# Altium PCB HV_DAC_8ch-DIOT.PCBDOC (part 1 of 11) (continued)
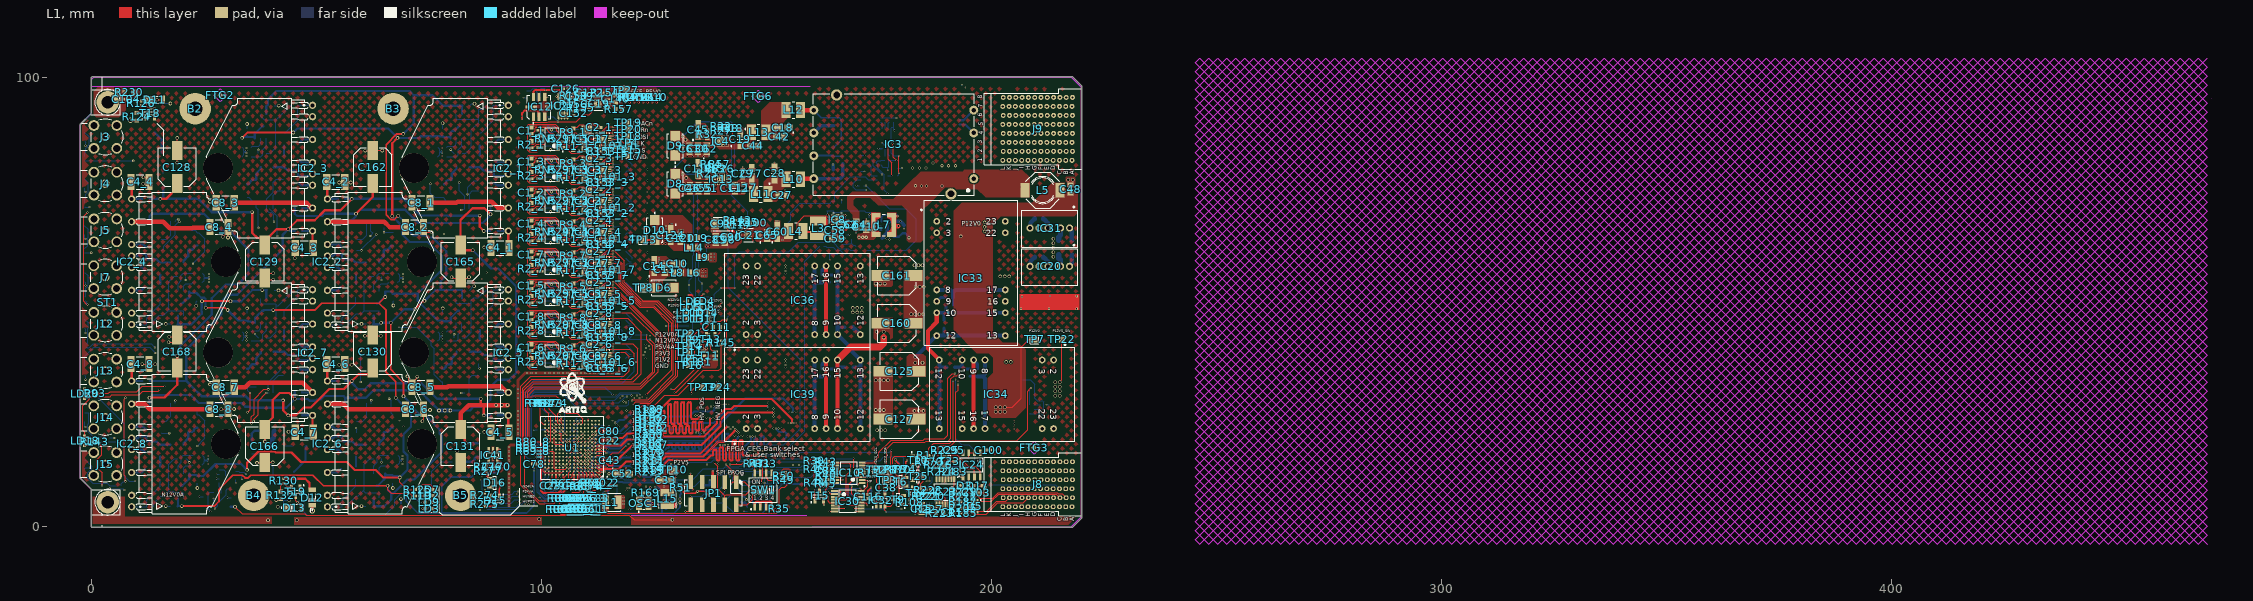
[diagram p0: L1 view]
## Design rules (kind name [scope] priority, off if disabled: settings) (continued)
RoutingVias RoutingVias_HPWR [InNetClass('Hpower')] p4: holewidth=0.4 width=0.7 viastyle="Through Hole" minholewidth=0.2 minwidth=0.4 maxholewidth=0.711 maxwidth=1.27
RoutingVias [All] p5: holewidth=0.2 width=0.5 viastyle="Through Hole" minholewidth=0.2 minwidth=0.4 maxholewidth=0.711 maxwidth=1.27 useviatemplates=TRUE viatemplateguid#1={4A6B9B9C-A221-4A61-AFEA-1AB58807B9F9} viatemplateguid#2={F3562215-08AF-45A8-96CD-7250AE1BA8D5} viatemplateguid#3={E9C4ADA8-6542-42D9-ACFE-5114F8ADFE76} viatemplatename#1=v40h20m0mx0 viatemplatename#2=v50h20m0mx0 viatemplatename#3=v70h40m0mx0
SilkToSilkClearance [All] p1: silktosilkclearance=0.02
SilkToSolderMaskClearance SilkscreenOverComponentPads [IsPad] p1: minsilkscreentomaskgap=0.02 clearancetoexposedcopper=TRUE
SolderMaskExpansion [All] p1: expansion=0.051 istentingtop=FALSE
SupplyNets "Schematic Supply Nets_1" [InNet('P3V3_DIOT')] p1: voltage=0.000
SupplyNets "Schematic Supply Nets_34" [InNet('HV_NEG')] p2: voltage=0.000
SupplyNets "Schematic Supply Nets_33" [InNet('P12V0_SW')] p3: voltage=0.000
SupplyNets "Schematic Supply Nets_32" [InNet('N24VA')] p4: voltage=0.000
SupplyNets "Schematic Supply Nets_31" [InNet('P24VA')] p5: voltage=0.000
SupplyNets "Schematic Supply Nets_30" [InNet('HV_POS')] p6: voltage=0.000
SupplyNets "Schematic Supply Nets_29" [InNet('P12V0')] p7: voltage=0.000
SupplyNets "Schematic Supply Nets_28" [InNet('P12V0A')] p8: voltage=0.000
SupplyNets "Schematic Supply Nets_26" [InNet('REF_P5V0')] p9: voltage=0.000
SupplyNets "Schematic Supply Nets_25" [InNet('P6V0')] p10: voltage=0.000
SupplyNets "Schematic Supply Nets_23" [InNet('P3V3_buck')] p11: voltage=0.000
SupplyNets "Schematic Supply Nets_22" [InNet('P5V4A')] p12: voltage=0.000
SupplyNets "Schematic Supply Nets_21" [InNet('P12V0F')] p13: voltage=0.000
SupplyNets "Schematic Supply Nets_20" [InNet('CHASSIS')] p14: voltage=0.000
SupplyNets "Schematic Supply Nets_19" [InNet('P3V3')] p15: voltage=0.000
SupplyNets "Schematic Supply Nets_18" [InNet('N12V0A')] p16: voltage=0.000
SupplyNets "Schematic Supply Nets_17" [InNet('GND')] p17: voltage=0.000
SupplyNets "Schematic Supply Nets_16" [InNet('P2V5')] p18: voltage=0.000
SupplyNets "Schematic Supply Nets_12" [InNet('P6V0A')] p19: voltage=0.000
SupplyNets "Schematic Supply Nets_11" [InNet('N13V0S')] p20: voltage=0.000
SupplyNets "Schematic Supply Nets_8" [InNet('P3V3_INIT')] p21: voltage=0.000
SupplyNets "Schematic Supply Nets_7" [InNet('P13V0S')] p22: voltage=0.000
SupplyNets "Schematic Supply Nets_6" [InNet('N13V0')] p23: voltage=0.000
SupplyNets "Schematic Supply Nets_3" [InNet('P13V0')] p24: voltage=0.000
SupplyNets "Schematic Supply Nets_2" [InNet('P3V3_MP')] p25: voltage=0.000
SupplyNets "Schematic Supply Nets" [InNet('P1V2')] p26: voltage=0.000
ViasUnderSMD ViasUnderSMD_allow [HasFootprint('QFN50P300X300X80-17N-S175') or  HasFootprint('SOP50P490X110-11N-R168X198')  or  HasFootprint('SON50P300X300X80-11N-R175X248') or HasFootprint('SON50P200X300X80-11N-R94X250') or HasFootprint('CAPMP3216X180N')   or HasFootprint('SON65P200X200X80-7N-R65X145') or HasFootprint('SON45P300X300X80-13N-R175X248')] p1: allowed=TRUE
ViasUnderSMD [All] p2: allowed=FALSE
Width Width_PWR [InNet('P24VA') or InNet('N24VA')] p1 off: maxlimit=2 minlimit=0.4 preferedwidth=0.5
Width Width_HPOW [InNetClass('Hpower')] p2 off: maxlimit=2.54 minlimit=0.254 preferedwidth=0.508
Width Width_HV [InNetClass('HV')] p3 off: maxlimit=2 minlimit=0.5 preferedwidth=0.512
Width Width_HPWR [InNetClass('Hpower')] p4 off: maxlimit=2 minlimit=0.254 preferedwidth=0.508
Width [All] p5: maxlimit=2 minlimit=0.1 preferedwidth=0.1
18 further rules are at their usual default settings.

## Classes and differential pairs
net class D100: BP_IO.LVDS_N0 BP_IO.LVDS_N1 BP_IO.LVDS_N2 BP_IO.LVDS_N3 BP_IO.LVDS_N4 BP_IO.LVDS_N5 BP_IO.LVDS_N6 BP_IO.LVDS_N7 BP_IO.LVDS_N8 BP_IO.LVDS_N9 BP_IO.LVDS_N10 BP_IO.LVDS_N11 BP_IO.LVDS_N12 BP_IO.LVDS_N13 BP_IO.LVDS_N14 BP_IO.LVDS_N15 BP_IO.LVDS_P0 BP_IO.LVDS_P1 BP_IO.LVDS_P2 BP_IO.LVDS_P3 BP_IO.LVDS_P4 BP_IO.LVDS_P5 BP_IO.LVDS_P6 BP_IO.LVDS_P7 BP_IO.LVDS_P8 BP_IO.LVDS_P9 BP_IO.LVDS_P10 BP_IO.LVDS_P11 BP_IO.LVDS_P12 BP_IO.LVDS_P13 BP_IO.LVDS_P14 BP_IO.LVDS_P15 DAC_OUT_N1 DAC_OUT_N2 DAC_OUT_N3 DAC_OUT_N4 DAC_OUT_N5 DAC_OUT_N6 DAC_OUT_N7 DAC_OUT_N8 DAC_OUT_P1 DAC_OUT_P2 DAC_OUT_P3 DAC_OUT_P4 DAC_OUT_P5 DAC_OUT_P6 DAC_OUT_P7 DAC_OUT_P8 LVDS_0_N LVDS_0_P LVDS_1_N LVDS_1_P LVDS_2_N LVDS_2_P LVDS_3_N LVDS_3_P LVDS_4_N LVDS_4_P LVDS_5_N LVDS_5_P LVDS_6_N LVDS_6_P LVDS_7_N LVDS_7_P LVDS_8_N LVDS_8_P LVDS_9_N LVDS_9_P LVDS_10_N LVDS_10_P LVDS_11_N LVDS_11_P LVDS_12_N LVDS_12_P LVDS_13_N LVDS_13_P LVDS_14_N LVDS_14_P LVDS_15_N LVDS_15_P
channel class HV_DAC_8ch_DAC_Series_Termination: DAC_Series_Termination1 DAC_Series_Termination2 DAC_Series_Termination3 DAC_Series_Termination4 DAC_Series_Termination5 DAC_Series_Termination6 DAC_Series_Termination7 DAC_Series_Termination8
channel class HV_DAC_8ch_DAC_channel: DAC_channel1 DAC_channel2 DAC_channel3 DAC_channel4 DAC_channel5 DAC_channel6 DAC_channel7 DAC_channel8
channel class HV_Amp_Discrete: U_HV_Amp_Discrete0 U_HV_Amp_Discrete1 U_HV_Amp_Discrete2 U_HV_Amp_Discrete3 U_HV_Amp_Discrete4 U_HV_Amp_Discrete5 U_HV_Amp_Discrete6 U_HV_Amp_Discrete7
net class OUT_CTRLn[7..0]: OUT_CTRLn0 OUT_CTRLn1 OUT_CTRLn2 OUT_CTRLn3 OUT_CTRLn4 OUT_CTRLn5 OUT_CTRLn6 OUT_CTRLn7
net class HV: HV_NEG HV_POS NetC4_1_2 NetC4_2_2 NetC4_3_2 NetC4_4_2 NetC4_5_2 NetC4_6_2 NetC4_7_2 NetC4_8_2 NetC6_1_1 NetC6_1_2 NetC6_2_1 NetC6_2_2 NetC6_3_1 NetC6_3_2 NetC6_4_1 NetC6_4_2 NetC6_5_1 NetC6_5_2 NetC6_6_1 NetC6_6_2 NetC6_7_1 NetC6_7_2 NetC6_8_1 NetC6_8_2 NetC8_1_2 NetC8_2_2 NetC8_3_2 NetC8_4_2 NetC8_5_2 NetC8_6_2 NetC8_7_2 NetC8_8_2 NetC125_1 NetC127_1 NetC136_1 NetC153_1 NetC158_1 NetC161_2 NetIC2_1_7 NetIC2_1_8 NetIC2_2_7 NetIC2_2_8 NetIC2_3_7 NetIC2_3_8 NetIC2_4_7 NetIC2_4_8 NetIC2_5_7 NetIC2_5_8 NetIC2_6_7 NetIC2_6_8 NetIC2_7_7 NetIC2_7_8 NetIC2_8_7 NetIC2_8_8 NetIC14_1_6 NetIC14_2_6 NetIC14_3_6 NetIC14_4_6 NetIC14_5_6 NetIC14_6_6 NetIC14_7_6 NetIC14_8_6 NetIC33_8 NetIC33_9 NetIC36_8 NetIC39_8 NetIC39_9 NetR115_1_2 NetR115_2_2 NetR115_3_2 NetR115_4_2 NetR115_5_2 NetR115_6_2 NetR115_7_2 NetR115_8_2 NetR121_2 NetR123_1 NetR128_2 NetR133_1
net class HVP: HV_POS NetC4_1_2 NetC4_2_2 NetC4_3_2 NetC4_4_2 NetC4_5_2 NetC4_6_2 NetC4_7_2 NetC4_8_2 NetC125_1 NetC127_1
net class HVO: OUT0 OUT1 OUT2 OUT3 OUT4 OUT5 OUT6 OUT7
net class HVN: HV_NEG NetC8_1_2 NetC8_2_2 NetC8_3_2 NetC8_4_2 NetC8_5_2 NetC8_6_2 NetC8_7_2 NetC8_8_2 NetC158_1 NetC161_2
component class U_HV_Amp_Discrete7: C4_8 C5_8 C6_8 C7_8 C8_8 IC1_8 IC2_8 IC14_8 R16_8 R34_8 R58_8 R62_8 R72_8 R73_8 R105_8 R106_8 R113_8 R114_8 R115_8 R116_8 R118_8
component class U_HV_Amp_Discrete6: C4_7 C5_7 C6_7 C7_7 C8_7 IC1_7 IC2_7 IC14_7 R16_7 R34_7 R58_7 R62_7 R72_7 R73_7 R105_7 R106_7 R113_7 R114_7 R115_7 R116_7 R118_7
component class U_HV_Amp_Discrete5: C4_6 C5_6 C6_6 C7_6 C8_6 IC1_6 IC2_6 IC14_6 R16_6 R34_6 R58_6 R62_6 R72_6 R73_6 R105_6 R106_6 R113_6 R114_6 R115_6 R116_6 R118_6
component class U_HV_Amp_Discrete4: C4_5 C5_5 C6_5 C7_5 C8_5 IC1_5 IC2_5 IC14_5 R16_5 R34_5 R58_5 R62_5 R72_5 R73_5 R105_5 R106_5 R113_5 R114_5 R115_5 R116_5 R118_5
component class U_HV_Amp_Discrete3: C4_4 C5_4 C6_4 C7_4 C8_4 IC1_4 IC2_4 IC14_4 R16_4 R34_4 R58_4 R62_4 R72_4 R73_4 R105_4 R106_4 R113_4 R114_4 R115_4 R116_4 R118_4
component class U_HV_Amp_Discrete2: C4_3 C5_3 C6_3 C7_3 C8_3 IC1_3 IC2_3 IC14_3 R16_3 R34_3 R58_3 R62_3 R72_3 R73_3 R105_3 R106_3 R113_3 R114_3 R115_3 R116_3 R118_3
component class U_HV_Amp_Discrete1: C4_2 C5_2 C6_2 C7_2 C8_2 IC1_2 IC2_2 IC14_2 R16_2 R34_2 R58_2 R62_2 R72_2 R73_2 R105_2 R106_2 R113_2 R114_2 R115_2 R116_2 R118_2
component class U_HV_Amp_Discrete0: C4_1 C5_1 C6_1 C7_1 C8_1 IC1_1 IC2_1 IC14_1 R16_1 R34_1 R58_1 R62_1 R72_1 R73_1 R105_1 R106_1 R113_1 R114_1 R115_1 R116_1 R118_1
component class U_power_supplies: B2 B3 B4 B5 C9 C10 C13 C14 C41 C84 C87 C119 C120 C124 C125 C127 C128 C129 C130 C131 C132 C133 C134 C135 C136 C137 C144 C150 C151 C153 C156 C157 C158 C160 C161 C162 C163 C164 C165 C166 C168 D6 D10 D11 D12 D13 IC20 IC31 IC33 IC34 IC36 IC39 L6 L8 L9 L14 L17 L19 L21 L22 LD2 LD3 LD7 LD9 R119 R120 R121 R122 R123 R124 R125 R126 R127 R128 R129 R130 R131 R132 R133 R134 R136 R137 R141 R144 R149 R167 R168 R201 R202 T17 T18 T19 T20 T21 T22 TP8 TP13 TP22 TP23 TP24
differential pair class Diff_100Ohm: BP_IO.LVDS0 BP_IO.LVDS1 BP_IO.LVDS2 BP_IO.LVDS3 BP_IO.LVDS4 BP_IO.LVDS5 BP_IO.LVDS6 BP_IO.LVDS7 BP_IO.LVDS8 BP_IO.LVDS9 BP_IO.LVDS10 BP_IO.LVDS11 BP_IO.LVDS12 BP_IO.LVDS13 BP_IO.LVDS14 BP_IO.LVDS15
net class PWR: P12V0
net class ESD_STRIP: CHASSIS STRIP2 STRIP3
net class BP_IO.LVDS_P[0..15]: BP_IO.LVDS_P0 BP_IO.LVDS_P1 BP_IO.LVDS_P2 BP_IO.LVDS_P3 BP_IO.LVDS_P4 BP_IO.LVDS_P5 BP_IO.LVDS_P6 BP_IO.LVDS_P7 BP_IO.LVDS_P8 BP_IO.LVDS_P9 BP_IO.LVDS_P10 BP_IO.LVDS_P11 BP_IO.LVDS_P12 BP_IO.LVDS_P13 BP_IO.LVDS_P14 BP_IO.LVDS_P15
net class BP_IO.LVDS_N[0..15]: BP_IO.LVDS_N0 BP_IO.LVDS_N1 BP_IO.LVDS_N2 BP_IO.LVDS_N3 BP_IO.LVDS_N4 BP_IO.LVDS_N5 BP_IO.LVDS_N6 BP_IO.LVDS_N7 BP_IO.LVDS_N8 BP_IO.LVDS_N9 BP_IO.LVDS_N10 BP_IO.LVDS_N11 BP_IO.LVDS_N12 BP_IO.LVDS_N13 BP_IO.LVDS_N14 BP_IO.LVDS_N15
component class U_HV_DAC_8ch_DIOT_Connectors_P1_P6: C11 C15 C95 C100 C103 C108 C109 D3 D5 D7 D17 IC23 IC24 IC28 J8 J9 R170 R171 R183 R185 R187 R205 R220 R221 R222 R223 R224 R225 R226 R227 R228 R229 T10 T23 T24 T25
net class LVDS: BP_IO.LVDS_N0 BP_IO.LVDS_N1 BP_IO.LVDS_N2 BP_IO.LVDS_N3 BP_IO.LVDS_N4 BP_IO.LVDS_N5 BP_IO.LVDS_N6 BP_IO.LVDS_N7 BP_IO.LVDS_N8 BP_IO.LVDS_N9 BP_IO.LVDS_N10 BP_IO.LVDS_N11 BP_IO.LVDS_N12 BP_IO.LVDS_N13 BP_IO.LVDS_N14 BP_IO.LVDS_N15 BP_IO.LVDS_P0 BP_IO.LVDS_P1 BP_IO.LVDS_P2 BP_IO.LVDS_P3 BP_IO.LVDS_P4 BP_IO.LVDS_P5 BP_IO.LVDS_P6 BP_IO.LVDS_P7 BP_IO.LVDS_P8 BP_IO.LVDS_P9 BP_IO.LVDS_P10 BP_IO.LVDS_P11 BP_IO.LVDS_P12 BP_IO.LVDS_P13 BP_IO.LVDS_P14 BP_IO.LVDS_P15
net class DAC_NSS[8..1]: DAC_NSS1 DAC_NSS2 DAC_NSS3 DAC_NSS4 DAC_NSS5 DAC_NSS6 DAC_NSS7 DAC_NSS8
net class DAC_MOSI[8..1]: DAC_MOSI1 DAC_MOSI2 DAC_MOSI3 DAC_MOSI4 DAC_MOSI5 DAC_MOSI6 DAC_MOSI7 DAC_MOSI8
net class DAC_LDACn[8..1]: DAC_LDACn1 DAC_LDACn2 DAC_LDACn3 DAC_LDACn4 DAC_LDACn5 DAC_LDACn6 DAC_LDACn7 DAC_LDACn8
net class DAC_CLK[8..1]: DAC_CLK1 DAC_CLK2 DAC_CLK3 DAC_CLK4 DAC_CLK5 DAC_CLK6 DAC_CLK7 DAC_CLK8
component class DAC_Series_Termination8: R65_8 R66_8 R69_8 R80_8
component class DAC_Series_Termination7: R65_7 R66_7 R69_7 R80_7
component class DAC_Series_Termination6: R65_6 R66_6 R69_6 R80_6
component class DAC_Series_Termination5: R65_5 R66_5 R69_5 R80_5
component class DAC_Series_Termination4: R65_4 R66_4 R69_4 R80_4
component class DAC_Series_Termination3: R65_3 R66_3 R69_3 R80_3
component class DAC_Series_Termination2: R65_2 R66_2 R69_2 R80_2
component class DAC_Series_Termination1: R65_1 R66_1 R69_1 R80_1
net class "xtalk digital": DAC_CLK1 DAC_CLK2 DAC_CLK3 DAC_CLK4 DAC_CLK5 DAC_CLK6 DAC_CLK7 DAC_CLK8 DAC_LDACn1 DAC_LDACn2 DAC_LDACn3 DAC_LDACn4 DAC_LDACn5 DAC_LDACn6 DAC_LDACn7 DAC_LDACn8 DAC_MOSI1 DAC_MOSI2 DAC_MOSI3 DAC_MOSI4 DAC_MOSI5 DAC_MOSI6 DAC_MOSI7 DAC_MOSI8 DAC_NSS1 DAC_NSS2 DAC_NSS3 DAC_NSS4 DAC_NSS5 DAC_NSS6 DAC_NSS7 DAC_NSS8 DAC_SPI_CLRn NetC35_1_2 NetC35_2_2 NetC35_3_2 NetC35_4_2 NetC35_5_2 NetC35_6_2 NetC35_7_2 NetC35_8_2 NetC66_1_2 NetC66_2_2 NetC66_3_2 NetC66_4_2 NetC66_5_2 NetC66_6_2 NetC66_7_2 NetC66_8_2 NetC68_1_2 NetC68_2_2 NetC68_3_2 NetC68_4_2 NetC68_5_2 NetC68_6_2 NetC68_7_2 NetC68_8_2 NetC89_1_2 NetC89_2_2 NetC89_3_2 NetC89_4_2 NetC89_5_2 NetC89_6_2 NetC89_7_2 NetC89_8_2
net class "xtalk analogue": DAC_OUT_N1 DAC_OUT_N2 DAC_OUT_N3 DAC_OUT_N4 DAC_OUT_N5 DAC_OUT_N6 DAC_OUT_N7 DAC_OUT_N8 DAC_OUT_P1 DAC_OUT_P2 DAC_OUT_P3 DAC_OUT_P4 DAC_OUT_P5 DAC_OUT_P6 DAC_OUT_P7 DAC_OUT_P8 DAC_REF_P5V1 DAC_REF_P5V2 DAC_REF_P5V3 DAC_REF_P5V4 DAC_REF_P5V5 DAC_REF_P5V6 DAC_REF_P5V7 DAC_REF_P5V8 N12V0_CH_1 N12V0_CH_2 N12V0_CH_3 N12V0_CH_4 N12V0_CH_5 N12V0_CH_6 N12V0_CH_7 N12V0_CH_8 NetC1_1_1 NetC1_1_2 NetC1_2_1 NetC1_2_2 NetC1_3_1 NetC1_3_2 NetC1_4_1 NetC1_4_2 NetC1_5_1 NetC1_5_2 NetC1_6_1 NetC1_6_2 NetC1_7_1 NetC1_7_2 NetC1_8_1 NetC1_8_2 NetC2_1_1 NetC2_1_2 NetC2_2_1 NetC2_2_2 NetC2_3_1 NetC2_3_2 NetC2_4_1 NetC2_4_2 NetC2_5_1 NetC2_5_2 NetC2_6_1 NetC2_6_2 NetC2_7_1 NetC2_7_2 NetC2_8_1 NetC2_8_2 NetC3_1_1 NetC3_2_1 NetC3_3_1 NetC3_4_1 NetC3_5_1 NetC3_6_1 NetC3_7_1 NetC3_8_1 NetC106_1_2 NetC106_2_2 NetC106_3_2 NetC106_4_2 NetC106_5_2 NetC106_6_2 NetC106_7_2 NetC106_8_2 NetIC37_1_1 NetIC37_2_1 NetIC37_3_1 NetIC37_4_1 NetIC37_5_1 NetIC37_6_1 NetIC37_7_1 NetIC37_8_1 P12V0_CH_1 P12V0_CH_2 P12V0_CH_3 P12V0_CH_4 P12V0_CH_5 P12V0_CH_6 P12V0_CH_7 P12V0_CH_8
net class Hpower: N12V0A N13V0S P3V3_buck P12V0 P12V0_SW P12V0A P12V0F P13V0S
component class U_HV_DAC_8ch_FPGA: C85 OSC1 R36 R53 R94 R169 R173 R174 U1
net class DAC_SPI_SDI[8..1]: DAC_SPI_SDI1 DAC_SPI_SDI2 DAC_SPI_SDI3 DAC_SPI_SDI4 DAC_SPI_SDI5 DAC_SPI_SDI6 DAC_SPI_SDI7 DAC_SPI_SDI8
net class DAC_SPI_NSS[8..1]: DAC_SPI_NSS1 DAC_SPI_NSS2 DAC_SPI_NSS3 DAC_SPI_NSS4 DAC_SPI_NSS5 DAC_SPI_NSS6 DAC_SPI_NSS7 DAC_SPI_NSS8
net class DAC_SPI_LDACn[8..1]: DAC_SPI_LDACn1 DAC_SPI_LDACn2 DAC_SPI_LDACn3 DAC_SPI_LDACn4 DAC_SPI_LDACn5 DAC_SPI_LDACn6 DAC_SPI_LDACn7 DAC_SPI_LDACn8
net class DAC_SPI_CLK[8..1]: DAC_SPI_CLK1 DAC_SPI_CLK2 DAC_SPI_CLK3 DAC_SPI_CLK4 DAC_SPI_CLK5 DAC_SPI_CLK6 DAC_SPI_CLK7 DAC_SPI_CLK8
net class DAC_REF_P5V[8..1]: DAC_REF_P5V1 DAC_REF_P5V2 DAC_REF_P5V3 DAC_REF_P5V4 DAC_REF_P5V5 DAC_REF_P5V6 DAC_REF_P5V7 DAC_REF_P5V8
component class U_HV_DAC_8ch_References: C94 C122 C126 C139 C140 C141 C149 C152 C167 IC11 IC12 IC19 IC27 R1 R4 R5 R6 R10 R12 R14 R154 R155 R156 R157 R158 R179 R272 TP27
component class FPGA_Supply: C16 C21 C22 C23 C24 C25 C31 C33 C37 C43 C50 C52 C53 C54 C55 C56 C57 C67 C70 C71 C72 C73 C74 C75 C76 C78 C79 C80 C115 HS1 R111 R112
component class U_HV_DAC_8ch_FPGA_LVDS: C38 C47 C105 D1 IC7 IC15 IC25 IC32 LD19 LD20 R3 R30 R37 R59 R70 R71 R74 R75 R78 R79 R81 R83 R85 R86 R89 R90 R91 R92 R93 R95 R96 R97 R98 R99 R102 R107 R108 R172 R175 R176 R177 R178 R180 R182 R184 R186 R188 R189 R190 R191 R192 R193 R194 R195 R196 R197 R198 R199 R200 R203 R206 R207 R208 R209 R210 R211 R212 R213 R214 R215 R216 R217 R233 T6 T9 T16 TP1 TP2 TP3
net class DAC_OUT_P[8..1]: DAC_OUT_P1 DAC_OUT_P2 DAC_OUT_P3 DAC_OUT_P4 DAC_OUT_P5 DAC_OUT_P6 DAC_OUT_P7 DAC_OUT_P8
net class DAC_OUT_N[8..1]: DAC_OUT_N1 DAC_OUT_N2 DAC_OUT_N3 DAC_OUT_N4 DAC_OUT_N5 DAC_OUT_N6 DAC_OUT_N7 DAC_OUT_N8
component class U_HV_DAC_8ch_FPGA_Config: C17 C86 C88 C116 IC6 IC10 IC17 IC30 JP1 LD18 R13 R15 R31 R33 R35 R39 R40 R41 R42 R43 R44 R45 R46 R47 R49 R50 R60 R143 R204 SW1 T2 T15
component class HV_DAC_8ch-DIOT: B? C104 C170 D15 D16 FTG1 FTG2 FTG3 FTG4 FTG5 FTG6 IC41 J3 J4 J5 J7 J12 J13 J14 J15 LD15 LD16 LD17 LD21 LD22 LD23 LD24 LD25 R230 R231 R232 R274 R275 R276 R277 R278 R279 R280 R281 R282 R283 R284 R285 ST1 TP4 TP15 TP18 TP19 TP20
component class U_HV_DAC_8ch_Supply: C18 C19 C26 C27 C28 C29 C30 C32 C34 C36 C39 C40 C42 C44 C45 C46 C48 C49 C51 C58 C59 C60 C61 C62 C63 C64 C65 C69 C77 C81 C82 C83 C90 C91 C93 C96 C102 C110 C111 C112 C113 C114 C117 C118 C121 C123 C155 C257 C258 D4 D8 D9 IC3 IC4 IC8 IC13 IC18 IC21 IC22 IC29 L1 L3 L4 L5 L7 L10 L11 L12 L13 L15 LD1 LD4 LD5 LD6 LD8 LD10 LD11 LD13 LD14 R7 R8 R17 R18 R19 R20 R21 R22 R23 R24 R25 R26 R27 R28 R29 R32 R38 R48 R51 R52 R54 R55 R56 R57 R61 R63 R64 R68 R76 R77 R100 R101 R103 R104 R117 R135 R142 R145 R151 R152 R159 R160 R162 R181 R234 R237 R381 R382 T1 T3 T4 T5 T11 T12 T13 T14 TP5 TP7 TP9 TP10 TP11 TP14 TP16 TP17 TP21
component class DAC_channel8: C1_8 C2_8 C3_8 C12_8 C35_8 C66_8 C68_8 C89_8 C92_8 C97_8 C98_8 C99_8 C101_8 C106_8 C138_8 C142_8 C143_8 C154_8 D21_8 IC5_8 IC37_8 L2_8 L16_8 L18_8 R2_8 R9_8 R11_8 R67_8 R153_8 R164_8 R297_8 RN1_8 RN5_8
component class DAC_channel7: C1_7 C2_7 C3_7 C12_7 C35_7 C66_7 C68_7 C89_7 C92_7 C97_7 C98_7 C99_7 C101_7 C106_7 C138_7 C142_7 C143_7 C154_7 D21_7 IC5_7 IC37_7 L2_7 L16_7 L18_7 R2_7 R9_7 R11_7 R67_7 R153_7 R164_7 R297_7 RN1_7 RN5_7
component class DAC_channel6: C1_6 C2_6 C3_6 C12_6 C35_6 C66_6 C68_6 C89_6 C92_6 C97_6 C98_6 C99_6 C101_6 C106_6 C138_6 C142_6 C143_6 C154_6 D21_6 IC5_6 IC37_6 L2_6 L16_6 L18_6 R2_6 R9_6 R11_6 R67_6 R153_6 R164_6 R297_6 RN1_6 RN5_6
component class DAC_channel5: C1_5 C2_5 C3_5 C12_5 C35_5 C66_5 C68_5 C89_5 C92_5 C97_5 C98_5 C99_5 C101_5 C106_5 C138_5 C142_5 C143_5 C154_5 D21_5 IC5_5 IC37_5 L2_5 L16_5 L18_5 R2_5 R9_5 R11_5 R67_5 R153_5 R164_5 R297_5 RN1_5 RN5_5
component class DAC_channel4: C1_4 C2_4 C3_4 C12_4 C35_4 C66_4 C68_4 C89_4 C92_4 C97_4 C98_4 C99_4 C101_4 C106_4 C138_4 C142_4 C143_4 C154_4 D21_4 IC5_4 IC37_4 L2_4 L16_4 L18_4 R2_4 R9_4 R11_4 R67_4 R153_4 R164_4 R297_4 RN1_4 RN5_4
component class DAC_channel3: C1_3 C2_3 C3_3 C12_3 C35_3 C66_3 C68_3 C89_3 C92_3 C97_3 C98_3 C99_3 C101_3 C106_3 C138_3 C142_3 C143_3 C154_3 D21_3 IC5_3 IC37_3 L2_3 L16_3 L18_3 R2_3 R9_3 R11_3 R67_3 R153_3 R164_3 R297_3 RN1_3 RN5_3
component class DAC_channel2: C1_2 C2_2 C3_2 C12_2 C35_2 C66_2 C68_2 C89_2 C92_2 C97_2 C98_2 C99_2 C101_2 C106_2 C138_2 C142_2 C143_2 C154_2 D21_2 IC5_2 IC37_2 L2_2 L16_2 L18_2 R2_2 R9_2 R11_2 R67_2 R153_2 R164_2 R297_2 RN1_2 RN5_2
component class DAC_channel1: C1_1 C2_1 C3_1 C12_1 C35_1 C66_1 C68_1 C89_1 C92_1 C97_1 C98_1 C99_1 C101_1 C106_1 C138_1 C142_1 C143_1 C154_1 D21_1 IC5_1 IC37_1 L2_1 L16_1 L18_1 R2_1 R9_1 R11_1 R67_1 R153_1 R164_1 R297_1 RN1_1 RN5_1
differential pair LVDS_15: +LVDS_15_P -LVDS_15_N
differential pair LVDS_14: +LVDS_14_P -LVDS_14_N
differential pair LVDS_13: +LVDS_13_P -LVDS_13_N
differential pair LVDS_12: +LVDS_12_P -LVDS_12_N
differential pair LVDS_11: +LVDS_11_P -LVDS_11_N
differential pair LVDS_10: +LVDS_10_P -LVDS_10_N
differential pair LVDS_9: +LVDS_9_P -LVDS_9_N
differential pair LVDS_8: +LVDS_8_P -LVDS_8_N
differential pair LVDS_7: +LVDS_7_P -LVDS_7_N
differential pair LVDS_6: +LVDS_6_P -LVDS_6_N
differential pair LVDS_5: +LVDS_5_P -LVDS_5_N
differential pair LVDS_4: +LVDS_4_P -LVDS_4_N
differential pair LVDS_3: +LVDS_3_P -LVDS_3_N
differential pair LVDS_2: +LVDS_2_P -LVDS_2_N
differential pair LVDS_1: +LVDS_1_P -LVDS_1_N
differential pair LVDS_0: +LVDS_0_P -LVDS_0_N
differential pair BP_IO.LVDS15: +BP_IO.LVDS_P15 -BP_IO.LVDS_N15
differential pair BP_IO.LVDS14: +BP_IO.LVDS_P14 -BP_IO.LVDS_N14
differential pair BP_IO.LVDS13: +BP_IO.LVDS_P13 -BP_IO.LVDS_N13
differential pair BP_IO.LVDS12: +BP_IO.LVDS_P12 -BP_IO.LVDS_N12
differential pair BP_IO.LVDS11: +BP_IO.LVDS_P11 -BP_IO.LVDS_N11
differential pair BP_IO.LVDS10: +BP_IO.LVDS_P10 -BP_IO.LVDS_N10
differential pair BP_IO.LVDS9: +BP_IO.LVDS_P9 -BP_IO.LVDS_N9
differential pair BP_IO.LVDS8: +BP_IO.LVDS_P8 -BP_IO.LVDS_N8
differential pair BP_IO.LVDS7: +BP_IO.LVDS_P7 -BP_IO.LVDS_N7
differential pair BP_IO.LVDS6: +BP_IO.LVDS_P6 -BP_IO.LVDS_N6
differential pair BP_IO.LVDS5: +BP_IO.LVDS_P5 -BP_IO.LVDS_N5
differential pair BP_IO.LVDS4: +BP_IO.LVDS_P4 -BP_IO.LVDS_N4
differential pair BP_IO.LVDS3: +BP_IO.LVDS_P3 -BP_IO.LVDS_N3
differential pair BP_IO.LVDS2: +BP_IO.LVDS_P2 -BP_IO.LVDS_N2
differential pair BP_IO.LVDS1: +BP_IO.LVDS_P1 -BP_IO.LVDS_N1
differential pair BP_IO.LVDS0: +BP_IO.LVDS_P0 -BP_IO.LVDS_N0
differential pair DAC_OUT8: +DAC_OUT_P8 -DAC_OUT_N8
differential pair DAC_OUT7: +DAC_OUT_P7 -DAC_OUT_N7
differential pair DAC_OUT6: +DAC_OUT_P6 -DAC_OUT_N6
differential pair DAC_OUT5: +DAC_OUT_P5 -DAC_OUT_N5
differential pair DAC_OUT4: +DAC_OUT_P4 -DAC_OUT_N4
differential pair DAC_OUT3: +DAC_OUT_P3 -DAC_OUT_N3
differential pair DAC_OUT2: +DAC_OUT_P2 -DAC_OUT_N2
differential pair DAC_OUT1: +DAC_OUT_P1 -DAC_OUT_N1

## Components (designator, comment, footprint, x,y, rotation, side; value= is the part's Value field where it differs from the comment)
B2 "Plated Hole" MTG320_700 23,93 r180 top
B3 "Plated Hole" MTG320_700 67,93 r180 top
B4 "Plated Hole" MTG320_700 36,7 r180 top
B5 "Plated Hole" MTG320_700 82,7 r180 top
C1_1 "360pF" CAPC1608X90N 97.73,88.052 r90 top (schematic designator C1)
C1_2 "360pF" CAPC1608X90N 97.73,74.278 r90 top (schematic designator C1)
C1_3 "360pF" CAPC1608X90N 97.73,81.165 r90 top (schematic designator C1)
C1_4 "360pF" CAPC1608X90N 97.73,67.392 r90 top (schematic designator C1)
C1_5 "360pF" CAPC1608X90N 97.73,53.619 r90 top (schematic designator C1)
C1_6 "360pF" CAPC1608X90N 97.73,39.846 r90 top (schematic designator C1)
C1_7 "360pF" CAPC1608X90N 97.73,60.505 r90 top (schematic designator C1)
C1_8 "360pF" CAPC1608X90N 97.73,46.732 r90 top (schematic designator C1)
C2_1 "10pF" CAPC1005X55N 112.793,88.811 r0 top (schematic designator C2)
C2_2 "10pF" CAPC1005X55N 112.793,75.038 r0 top (schematic designator C2)
C2_3 "10pF" CAPC1005X55N 112.793,81.924 r0 top (schematic designator C2)
C2_4 "10pF" CAPC1005X55N 112.793,68.151 r0 top (schematic designator C2)
C2_5 "10pF" CAPC1005X55N 112.793,54.378 r0 top (schematic designator C2)
C2_6 "10pF" CAPC1005X55N 112.793,40.605 r0 top (schematic designator C2)
C2_7 "10pF" CAPC1005X55N 112.793,61.264 r0 top (schematic designator C2)
C2_8 "10pF" CAPC1005X55N 112.793,47.491 r0 top (schematic designator C2)
C3_1 "47pF" CAPC1005X55N 112.793,83.528 r0 top (schematic designator C3)
C3_2 "47pF" CAPC1005X55N 112.793,69.754 r0 top (schematic designator C3)
C3_3 "47pF" CAPC1005X55N 112.793,76.641 r0 top (schematic designator C3)
C3_4 "47pF" CAPC1005X55N 112.793,62.868 r0 top (schematic designator C3)
C3_5 "47pF" CAPC1005X55N 112.793,49.095 r0 top (schematic designator C3)
C3_6 "47pF" CAPC1005X55N 112.793,35.321 r0 top (schematic designator C3)
C3_7 "47pF" CAPC1005X55N 112.793,55.981 r0 top (schematic designator C3)
C3_8 "47pF" CAPC1005X55N 112.793,42.208 r0 top (schematic designator C3)
C4_1 "220nF" CAPC4532X165N 90.735,62.032 r0 top (schematic designator C4)
C4_2 "220nF" CAPC4532X165N 54.265,76.714 r180 top (schematic designator C4)
C4_3 "220nF" CAPC4532X165N 47.235,62.032 r0 top (schematic designator C4)
C4_4 "220nF" CAPC4532X165N 10.765,76.714 r180 top (schematic designator C4)
C4_5 "220nF" CAPC4532X165N 90.735,21.032 r0 top (schematic designator C4)
C4_6 "220nF" CAPC4532X165N 54.265,36.214 r180 top (schematic designator C4)
C4_7 "220nF" CAPC4532X165N 47.235,21.032 r0 top (schematic designator C4)
C4_8 "220nF" CAPC4532X165N 10.765,36.214 r180 top (schematic designator C4)
C5_1 "1uF" CAPC1608X87N 83.242,93.655 r0 bottom (schematic designator C5)
C5_2 "1uF" CAPC1608X87N 61.758,45.091 r180 bottom (schematic designator C5)
C5_3 "1uF" CAPC1608X87N 39.742,93.655 r0 bottom (schematic designator C5)
C5_4 "1uF" CAPC1608X87N 18.258,45.091 r180 bottom (schematic designator C5)
C5_5 "1uF" CAPC1608X87N 83.242,52.655 r0 bottom (schematic designator C5)
C5_6 "1uF" CAPC1608X87N 61.758,4.591 r180 bottom (schematic designator C5)
C5_7 "1uF" CAPC1608X87N 39.742,52.655 r0 bottom (schematic designator C5)
C5_8 "1uF" CAPC1608X87N 18.258,4.591 r180 bottom (schematic designator C5)
C6_1 "100pF" CAPC4620X203N 89.5,83.496 r270 bottom (schematic designator C6)
C6_2 "100pF" CAPC4620X203N 55.5,55.25 r90 bottom (schematic designator C6)
C6_3 "100pF" CAPC4620X203N 46,83.496 r270 bottom (schematic designator C6)
C6_4 "100pF" CAPC4620X203N 12,55.25 r90 bottom (schematic designator C6)
C6_5 "100pF" CAPC4620X203N 89.5,42.496 r270 bottom (schematic designator C6)
C6_6 "100pF" CAPC4620X203N 55.5,14.75 r90 bottom (schematic designator C6)
C6_7 "100pF" CAPC4620X203N 46,42.496 r270 bottom (schematic designator C6)
C6_8 "100pF" CAPC4620X203N 12,14.75 r90 bottom (schematic designator C6)
C7_1 "1uF" CAPC1608X87N 78.035,87.686 r90 bottom (schematic designator C7)
C7_2 "1uF" CAPC1608X87N 66.965,51.06 r270 bottom (schematic designator C7)
C7_3 "1uF" CAPC1608X87N 34.535,87.686 r90 bottom (schematic designator C7)
C7_4 "1uF" CAPC1608X87N 23.465,51.06 r270 bottom (schematic designator C7)
C7_5 "1uF" CAPC1608X87N 78.035,46.686 r90 bottom (schematic designator C7)
C7_6 "1uF" CAPC1608X87N 66.965,10.56 r270 bottom (schematic designator C7)
C7_7 "1uF" CAPC1608X87N 34.535,46.686 r90 bottom (schematic designator C7)
C7_8 "1uF" CAPC1608X87N 23.465,10.56 r270 bottom (schematic designator C7)
C8_1 "220nF" CAPC4532X165N 73.209,72.065 r0 top (schematic designator C8)
C8_2 "220nF" CAPC4532X165N 71.791,66.681 r180 top (schematic designator C8)
C8_3 "220nF" CAPC4532X165N 29.709,72.065 r0 top (schematic designator C8)
C8_4 "220nF" CAPC4532X165N 28.291,66.681 r180 top (schematic designator C8)
C8_5 "220nF" CAPC4532X165N 73.209,31.065 r0 top (schematic designator C8)
C8_6 "220nF" CAPC4532X165N 71.791,26.181 r180 top (schematic designator C8)
C8_7 "220nF" CAPC4532X165N 29.709,31.065 r0 top (schematic designator C8)
C8_8 "220nF" CAPC4532X165N 28.291,26.181 r180 top (schematic designator C8)
C9 "10uF" CAPC2012X145N 210.6,60.1 r0 bottom
C10 "10uF" CAPC2012X145N 130.2,58.5 r0 top
C11 "100nF" CAPC1005X55N 191.3,3.3 r0 top
C12_1 "10uF" CAPMP3216X180N 113.081,86.142 r0 bottom (schematic designator C12)
C12_2 "10uF" CAPMP3216X180N 113.081,72.369 r0 bottom (schematic designator C12)
C12_3 "10uF" CAPMP3216X180N 113.081,79.256 r0 bottom (schematic designator C12)
C12_4 "10uF" CAPMP3216X180N 113.081,65.482 r0 bottom (schematic designator C12)
C12_5 "10uF" CAPMP3216X180N 113.081,51.709 r0 bottom (schematic designator C12)
C12_6 "10uF" CAPMP3216X180N 113.081,37.936 r0 bottom (schematic designator C12)
C12_7 "10uF" CAPMP3216X180N 113.081,58.596 r0 bottom (schematic designator C12)
C12_8 "10uF" CAPMP3216X180N 113.081,44.823 r0 bottom (schematic designator C12)
C13 "10uF" CAPC2012X145N 127.4,57.3 r270 top
C14 "1uF" CAPMP3216X180N 125.1,58 r90 top
C15 "22uF" CAPC2012X135N 184.5,4.1 r90 top
C16 "100nF" CAPC1005X55N 108.294,24.1 r180 bottom
C17 "100nF" CAPC1005X55N 135.7,8.465 r270 bottom
C18 "10uF" CAPMP3216X180N 153.65,88.8 r180 top
C19 "10uF" CAPMP3216X180N 144.2,86.2 r270 top
C21 "100nF" CAPC1005X55N 106.8,20.8 r270 bottom
C22 "100nF" CAPC1005X55N 115.2,19.2 r180 top
C23 "100nF" CAPC1005X55N 102,9.2 r90 top
C24 "100nF" CAPC1005X55N 106.3,16 r180 bottom
C25 "100nF" CAPC1005X55N 108.1,16 r0 bottom
C26 "22uF" CAPC2012X135N 164.811,78.518 r270 bottom
C27 "22uF" CAPC2012X135N 153.4,73.8 r180 top
C28 "10uF" CAPMP3216X180N 151.8,78.6 r90 top
C29 "1uF" CAPC1608X87N 144.75,78.5 r270 top
C30 "22uF" CAPC2012X135N 134.8,84.1 r90 top
C31 "100nF" CAPC1005X55N 106.8,14.4 r270 bottom
C32 "22uF" CAPC2012X135N 191.335,78.293 r270 bottom
C33 "10uF" CAPMP3216X180N 127.6,10.4 r0 top
C34 "22uF" CAPC2012X135N 184.949,77.941 r270 bottom
C35_1 "15pF" CAPC1608X87N 117.96,84.177 r0 bottom (schematic designator C35)
C35_2 "15pF" CAPC1608X87N 117.96,70.404 r0 bottom (schematic designator C35)
C35_3 "15pF" CAPC1608X87N 117.96,77.291 r0 bottom (schematic designator C35)
C35_4 "15pF" CAPC1608X87N 117.96,63.518 r0 bottom (schematic designator C35)
C35_5 "15pF" CAPC1608X87N 117.96,49.745 r0 bottom (schematic designator C35)
C35_6 "15pF" CAPC1608X87N 117.96,35.971 r0 bottom (schematic designator C35)
C35_7 "15pF" CAPC1608X87N 117.96,56.631 r0 bottom (schematic designator C35)
C35_8 "15pF" CAPC1608X87N 117.96,42.858 r0 bottom (schematic designator C35)
C36 "22uF" CAPC2012X135N 182.968,77.941 r270 bottom
C37 "10uF" CAPC1005X70N 106.8,12.5 r90 bottom
C38 "100nF" CAPC1005X55N 176.663,8.7 r180 top
C39 "22uF" CAPC2012X135N 189.318,78.245 r270 bottom
C40 "22uF" CAPC2012X135N 164.98,90.09 r90 bottom
C41 "47uF" CAPC3225X270N 216.5,63.7 r180 bottom
C42 "22uF" CAPC2012X135N 152.9,86.8 r180 top
C43 "100nF" CAPC1005X55N 115.15,14.8 r180 top
C44 "22uF" CAPC2012X135N 147.1,84.7 r180 top
C45 "10uF" CAPMP3216X180N 134.8,88.3 r90 top
C46 "22uF" CAPC2012X135N 133,75.3 r90 top
C47 "100nF" CAPC1005X55N 178.31,90.454 r270 bottom
C48 "22uF" CAPC2012X135N 217.6,75.1 r270 top
C49 "10uF" CAPMP3216X180N 187.159,78.293 r90 bottom
C50 "10uF" CAPC1005X70N 106.8,22.74 r90 bottom
C51 "22uF" CAPC2012X135N 136.8,75.3 r90 top
C52 "10uF" CAPMP3216X180N 118.102,11.826 r0 top
C53 "100pF" CAPC1005X55N 99.45,21.6 r0 bottom
C54 "100pF" CAPC1005X55N 103.3,24.1 r270 bottom
C55 "100nF" CAPC1005X55N 101.3,18.7 r270 bottom
C56 "100nF" CAPC1005X55N 106.8,18.8 r90 bottom
C57 "100nF" CAPC1005X55N 107.2,9.2 r90 top
C58 "100nF" CAPC1005X55N 165.257,66.011 r180 top
C59 "22uF" CAPC2012X135N 165.313,64.082 r180 top
C60 "10uF" CAPMP3216X180N 152.4,65.6 r90 top
C61 "22uF" CAPC2012X135N 132.9,84.1 r90 top
C62 "22uF" CAPC2012X135N 136.7,84.1 r90 top
C63 "100nF" CAPC1005X55N 167.938,67.132 r90 top
C64 "22uF" CAPC2012X135N 169.94,67.174 r90 top
C65 "22uF" CAPC2012X135N 150.2,64.8 r270 top
C66_1 "15pF" CAPC1608X87N 117.96,85.727 r0 bottom (schematic designator C66)
C66_2 "15pF" CAPC1608X87N 117.96,71.954 r0 bottom (schematic designator C66)
C66_3 "15pF" CAPC1608X87N 117.96,78.84 r0 bottom (schematic designator C66)
C66_4 "15pF" CAPC1608X87N 117.96,65.067 r0 bottom (schematic designator C66)
C66_5 "15pF" CAPC1608X87N 117.96,51.294 r0 bottom (schematic designator C66)
C66_6 "15pF" CAPC1608X87N 117.96,37.521 r0 bottom (schematic designator C66)
C66_7 "15pF" CAPC1608X87N 117.96,58.181 r0 bottom (schematic designator C66)
C66_8 "15pF" CAPC1608X87N 117.96,44.407 r0 bottom (schematic designator C66)
C67 "100nF" CAPC1005X55N 112.8,22.4 r180 bottom
C68_1 "15pF" CAPC1608X87N 117.96,87.276 r0 bottom (schematic designator C68)
C68_2 "15pF" CAPC1608X87N 117.96,73.503 r0 bottom (schematic designator C68)
C68_3 "15pF" CAPC1608X87N 117.96,80.39 r0 bottom (schematic designator C68)
C68_4 "15pF" CAPC1608X87N 117.96,66.616 r0 bottom (schematic designator C68)
C68_5 "15pF" CAPC1608X87N 117.96,52.843 r0 bottom (schematic designator C68)
C68_6 "15pF" CAPC1608X87N 117.96,39.07 r0 bottom (schematic designator C68)
C68_7 "15pF" CAPC1608X87N 117.96,59.73 r0 bottom (schematic designator C68)
C68_8 "15pF" CAPC1608X87N 117.96,45.957 r0 bottom (schematic designator C68)
C69 "1uF" CAPC1608X87N 166.761,71.113 r270 bottom
C70 "100nF" CAPC1005X55N 111.2,9.15 r90 top
C71 "100nF" CAPC1005X55N 103.2,9.2 r90 top
C72 "10uF" CAPC2012X135N 115.919,19.838 r180 bottom
C73 "10uF" CAPMP3216X180N 120.5,5.75 r270 bottom
C74 "100pF" CAPC1005X55N 102,8.3 r90 bottom
C75 "100nF" CAPC1005X55N 105.6,17.6 r180 bottom
C76 "100nF" CAPC1005X55N 109.733,17.618 r180 bottom
C77 "10uF" CAPMP3216X180N 146.75,78.5 r90 top
C78 "100nF" CAPC1005X55N 98.4,14 r0 top
C79 "100nF" CAPC1005X55N 107.925,17.601 r0 bottom
C80 "100nF" CAPC1005X55N 115.075,21.282 r180 top
C81 "1uF" CAPC1005X55N 113.5,5.5 r90 bottom
C82 "10uF" CAPC2012X135N 116.75,8 r180 bottom
C83 "22uF" CAPC2012X135N 138.7,63.9 r270 top
C84 "47uF" CAPC3225X270N 216.5,60.5 r180 bottom
C85 "100nF" CAPC1005X55N 122.71,5.325 r180 bottom
C86 "100nF" CAPC1005X55N 145.75,4 r90 bottom
C87 "10uF" CAPC2012X145N 210.6,68.6 r180 bottom
C88 "100nF" CAPC1005X55N 163.347,12.548 r0 top
C89_1 "15pF" CAPC1608X87N 117.96,88.826 r0 bottom (schematic designator C89)
C89_2 "15pF" CAPC1608X87N 117.96,75.052 r0 bottom (schematic designator C89)
C89_3 "15pF" CAPC1608X87N 117.96,81.939 r0 bottom (schematic designator C89)
C89_4 "15pF" CAPC1608X87N 117.96,68.166 r0 bottom (schematic designator C89)
C89_5 "15pF" CAPC1608X87N 117.96,54.393 r0 bottom (schematic designator C89)
C89_6 "15pF" CAPC1608X87N 117.96,40.62 r0 bottom (schematic designator C89)
C89_7 "15pF" CAPC1608X87N 117.96,61.279 r0 bottom (schematic designator C89)
C89_8 "15pF" CAPC1608X87N 117.96,47.506 r0 bottom (schematic designator C89)
C90 "100nF" CAPC1005X55N 142.2,64.4 r270 top
C91 "22uF" CAPMP3528X210N 140,67.4 r180 top
C92_1 "100nF" CAPC1005X55N 107.619,84.613 r90 bottom (schematic designator C92)
C92_2 "100nF" CAPC1005X55N 107.619,70.839 r90 bottom (schematic designator C92)
C92_3 "100nF" CAPC1005X55N 107.619,77.726 r90 bottom (schematic designator C92)
C92_4 "100nF" CAPC1005X55N 107.619,63.953 r90 bottom (schematic designator C92)
C92_5 "100nF" CAPC1005X55N 107.619,50.18 r90 bottom (schematic designator C92)
C92_6 "100nF" CAPC1005X55N 107.619,36.406 r90 bottom (schematic designator C92)
C92_7 "100nF" CAPC1005X55N 107.619,57.066 r90 bottom (schematic designator C92)
C92_8 "100nF" CAPC1005X55N 107.619,43.293 r90 bottom (schematic designator C92)
C93 "100nF" CAPC1005X55N 177.805,64.509 r0 bottom
C94 "1uF" CAPC1608X87N 96.7,96.2 r90 bottom
C95 "100nF" CAPC1005X55N 191.8,17.1 r0 top
C96 "22uF" CAPC2012X135N 140.7,63.9 r270 top
C97_1 "10uF" CAPMP3216X180N 104.693,83.909 r180 bottom (schematic designator C97)
C97_2 "10uF" CAPMP3216X180N 104.693,70.135 r180 bottom (schematic designator C97)
C97_3 "10uF" CAPMP3216X180N 104.693,77.022 r180 bottom (schematic designator C97)
C97_4 "10uF" CAPMP3216X180N 104.693,63.249 r180 bottom (schematic designator C97)
C97_5 "10uF" CAPMP3216X180N 104.693,49.476 r180 bottom (schematic designator C97)
C97_6 "10uF" CAPMP3216X180N 104.693,35.702 r180 bottom (schematic designator C97)
C97_7 "10uF" CAPMP3216X180N 104.693,56.362 r180 bottom (schematic designator C97)
C97_8 "10uF" CAPMP3216X180N 104.693,42.589 r180 bottom (schematic designator C97)
C98_1 "10uF" CAPMP3216X180N 105.43,88.252 r0 bottom (schematic designator C98)
C98_2 "10uF" CAPMP3216X180N 105.43,74.479 r0 bottom (schematic designator C98)
C98_3 "10uF" CAPMP3216X180N 105.43,81.365 r0 bottom (schematic designator C98)
C98_4 "10uF" CAPMP3216X180N 105.43,67.592 r0 bottom (schematic designator C98)
C98_5 "10uF" CAPMP3216X180N 105.43,53.819 r0 bottom (schematic designator C98)
C98_6 "10uF" CAPMP3216X180N 105.43,40.046 r0 bottom (schematic designator C98)
C98_7 "10uF" CAPMP3216X180N 105.43,60.706 r0 bottom (schematic designator C98)
C98_8 "10uF" CAPMP3216X180N 105.43,46.932 r0 bottom (schematic designator C98)
C99_1 "10uF" CAPMP3216X180N 113.295,88.495 r0 bottom (schematic designator C99)
C99_2 "10uF" CAPMP3216X180N 113.295,74.722 r0 bottom (schematic designator C99)
C99_3 "10uF" CAPMP3216X180N 113.295,81.609 r0 bottom (schematic designator C99)
C99_4 "10uF" CAPMP3216X180N 113.295,67.836 r0 bottom (schematic designator C99)
C99_5 "10uF" CAPMP3216X180N 113.295,54.063 r0 bottom (schematic designator C99)
C99_6 "10uF" CAPMP3216X180N 113.295,40.289 r0 bottom (schematic designator C99)
C99_7 "10uF" CAPMP3216X180N 113.295,60.949 r0 bottom (schematic designator C99)
C99_8 "10uF" CAPMP3216X180N 113.295,47.176 r0 bottom (schematic designator C99)
C100 "100nF" CAPC1005X55N 199.4,17.1 r180 top
C101_1 "100nF" CAPC1005X55N 116.347,84.78 r90 top (schematic designator C101)
C101_2 "100nF" CAPC1005X55N 116.347,71.007 r90 top (schematic designator C101)
C101_3 "100nF" CAPC1005X55N 116.347,77.893 r90 top (schematic designator C101)
C101_4 "100nF" CAPC1005X55N 116.347,64.12 r90 top (schematic designator C101)
C101_5 "100nF" CAPC1005X55N 116.347,50.347 r90 top (schematic designator C101)
C101_6 "100nF" CAPC1005X55N 116.347,36.574 r90 top (schematic designator C101)
C101_7 "100nF" CAPC1005X55N 116.347,57.234 r90 top (schematic designator C101)
C101_8 "100nF" CAPC1005X55N 116.347,43.46 r90 top (schematic designator C101)
C102 "100nF" CAPC1005X55N 177.106,69.366 r0 bottom
C103 "1uF" CAPC1608X87N 196.6,7.6 r180 top
C104 "22pF" CAPC1005X55N 7.7,95.1 r0 top
C105 "100nF" CAPC1005X55N 186.6,12.8 r0 bottom
C106_1 "100pF" CAPC1608X90N 107.33,86.311 r0 bottom (schematic designator C106)
C106_2 "100pF" CAPC1608X90N 107.33,72.538 r0 bottom (schematic designator C106)
C106_3 "100pF" CAPC1608X90N 107.33,79.424 r0 bottom (schematic designator C106)
C106_4 "100pF" CAPC1608X90N 107.33,65.651 r0 bottom (schematic designator C106)
C106_5 "100pF" CAPC1608X90N 107.33,51.878 r0 bottom (schematic designator C106)
C106_6 "100pF" CAPC1608X90N 107.33,38.105 r0 bottom (schematic designator C106)
C106_7 "100pF" CAPC1608X90N 107.33,58.765 r0 bottom (schematic designator C106)
C106_8 "100pF" CAPC1608X90N 107.33,44.992 r0 bottom (schematic designator C106)
C108 "1uF" CAPC1608X87N 199.7,4.8 r90 bottom
C109 "10uF" CAPMP3216X180N 193.8,5.1 r270 bottom
C110 "22uF" CAPC2012X135N 172.171,66.741 r270 top
C111 "1uF" CAPC1608X87N 138.9,44.4 r0 top
C112 "22uF" CAPC2012X135N 143,75.3 r90 top
C113 "1uF" CAPC1608X87N 164.1,61.4 r90 bottom